# Altium PCB power-v3.2.PcbDoc (part 3 of 3)
Units mil, origin at the board's own origin, x right, y up, seen from the top; angles counter-clockwise.
Board outline 6119.76 x 3200 mil, 2 copper layers (Top Layer, Bottom Layer), stack 63.012 mil thick; 159 components, 100 nets, 465 pads, 512 vias.
Unrouted connection lines stored in the file: 96.
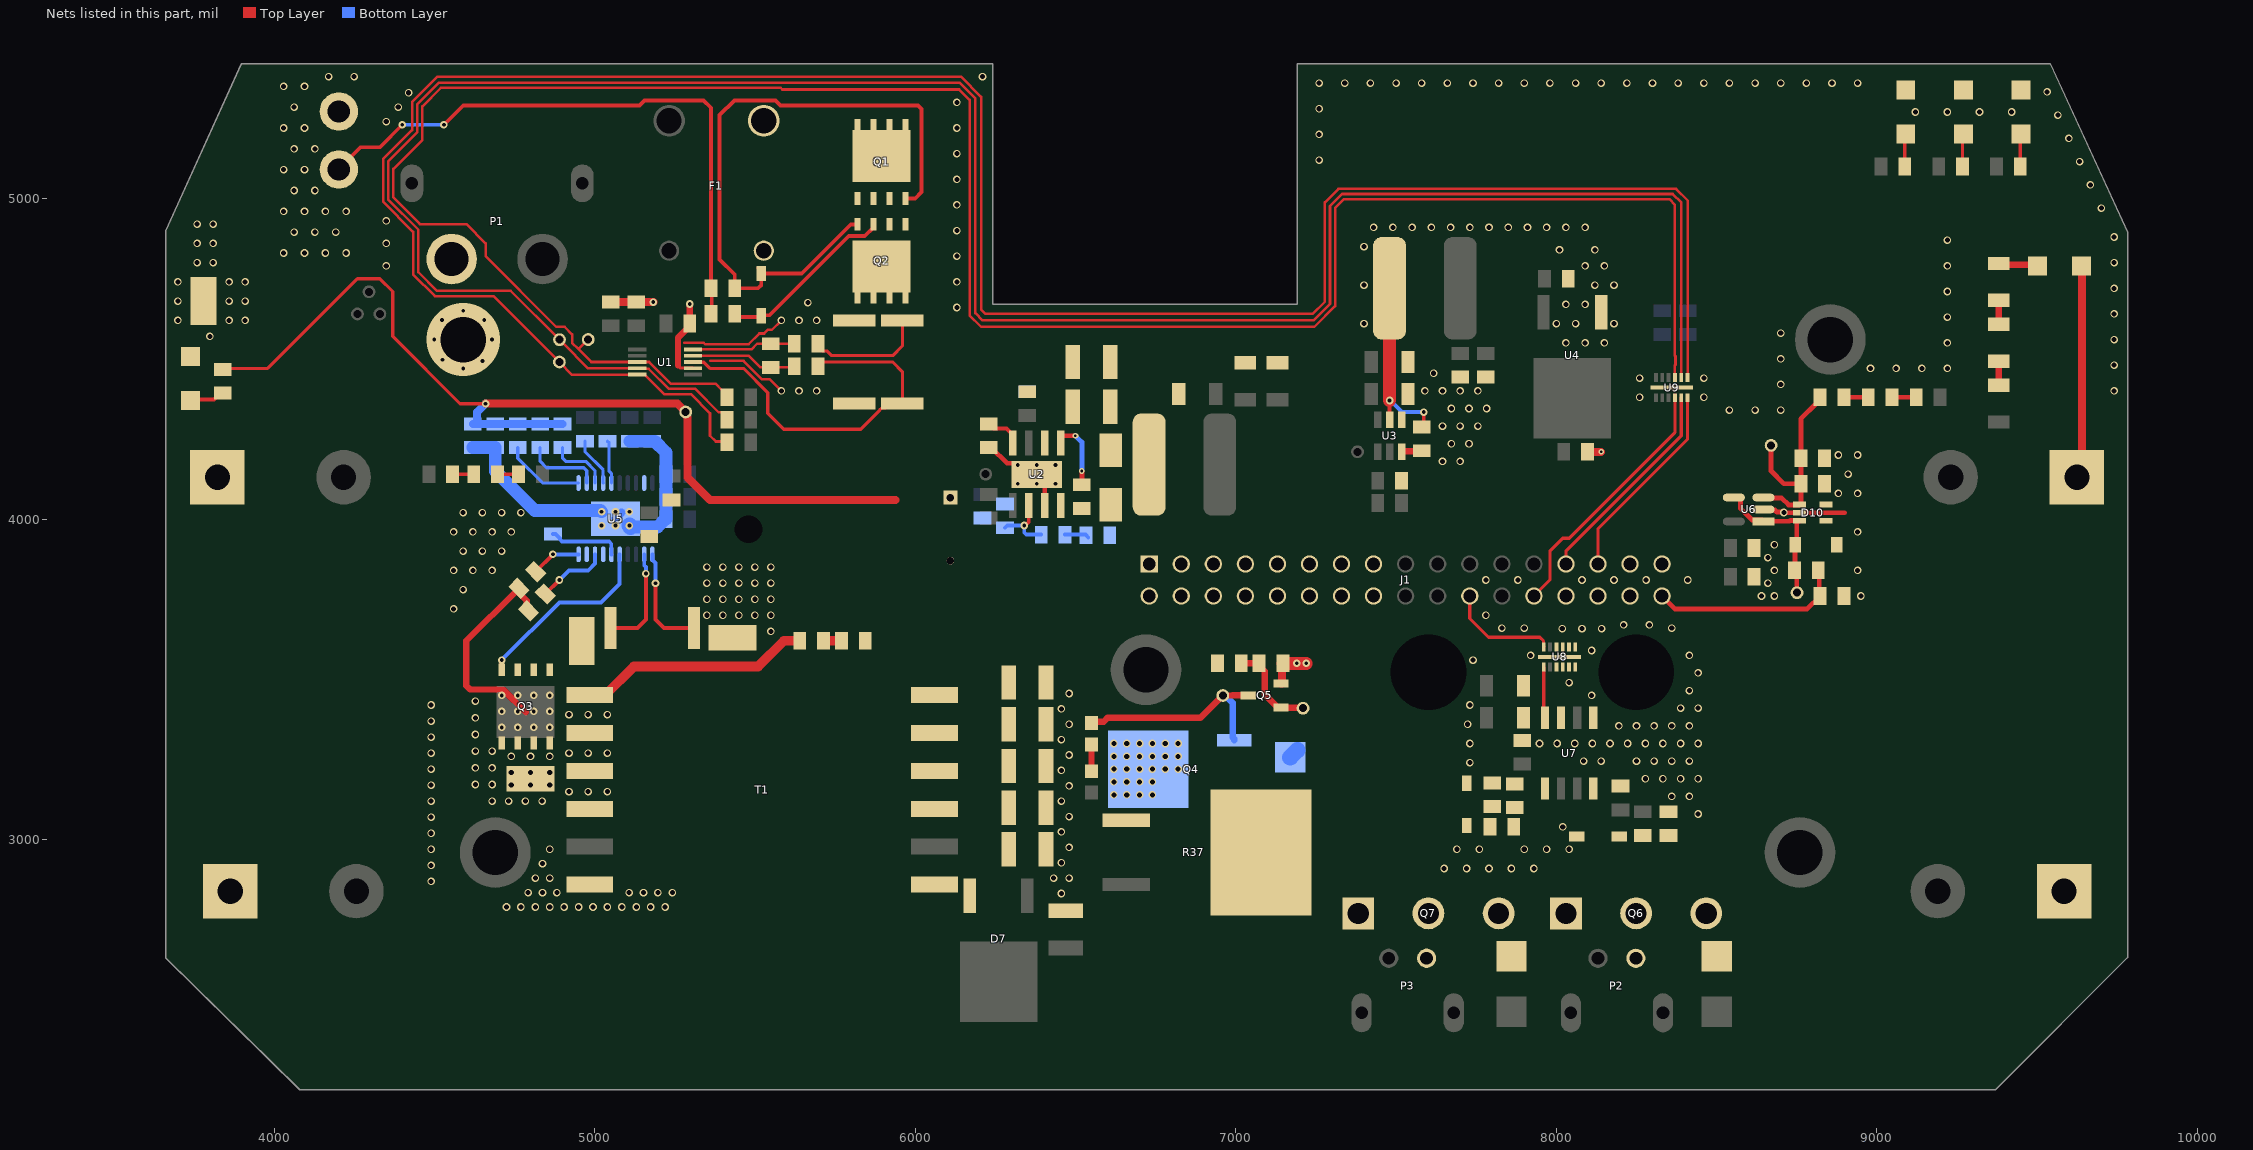
[diagram p3: the nets of this part, all layers, seen from the top]

## Via types
v1: diameter 23.62, hole 15.75, Top Layer to Bottom Layer, 395 vias
v2: diameter 23.62, hole 11.81, Top Layer to Bottom Layer, 98 vias
v3: diameter 17.72, hole 7.87, Top Layer to Bottom Layer, 8 vias
v4: diameter 19.68, hole 7.87, Top Layer to Bottom Layer, 6 vias
v5: diameter 228.35, hole 141.73, Top Layer to Bottom Layer, 5 vias

## Nets (pads, with @x,y where several pads share a name; then routed paths per layer and width w, separated by ;. In a path a pad name is that pad's centre, name@x,y a point inside that pad or via, vN(x,y) a via of type N, cw(c..) or ccw(c..) an arc to the next point about the centre after c; other vN are vias at no path point) (continued)
GND: 3V3.2 5V.2 12V.2 +HV.2 C2.1 C4.1 C5.1 C6.1 C7.1 C8.1 C9.1 C10.1 C11.1 C13.1 C14.1 C15.1 C16.1 C17.2 C18.2 C19.1 C20.1 C21.NEG C22.NEG C23.NEG C24.NEG C25.NEG C26.1 C27.1 C28.1 C29.1 C30.1 C31.1 C32.1 C34.2 C35.2 C36.2 C37.2 C38.1 C39.2 C40.1 C41.2 C42.2 C43.1 C44.1 C45.1 C46.2 CSN.1 D2.A D8.A D9.2 D10.2 D12.A D14.A GND.1 J1.9 J1.10 J1.11 J1.12 J1.13 J1.14 J1.15 J1.16 P1.1 pad.@4590,4560 Q4.3 Q5.S Q6.3 Q7.3 R10.2 R11.2 R15.2 R16.1 R18.1 R31.1 R34.1 R35.2 R40.1 R44.2 R46.2 R48.2 R56.1 S1.0 T1.12 U1.7 U2.7 U2.9 U2.V1 U2.V2 U2.V3 U2.V4 U2.V5 U2.V6 U3.1 U4.1 U5.9 U5.11 U5.21 U6.2 U7.3 U8.13 U9.13 VCC.2 | length 3751.8
  Top Layer w8: 5280,4550 5340,4550 5344.63,4545.37 5480,4545.37 5513.63,4579 5529,4579 5540,4590 5552.5,4590 v1(5582.5,4620) ; 5360.12,4493.69 5464.84,4493.69 5522.47,4436.06 5546.44,4436.06 v1(5582.5,4400)
  Top Layer w10: 5260,4480 5268.91,4471.09 5305.83,4471.09 U1.7@5306.61,4470.31
  Top Layer w12: v2(5190,3800) 5190,3686.79 5216.79,3660 R34.1@5309.92,3660 ; 12V.2@9089.91,5338.98 12V.2@9090,5338.9
  Top Layer w15: VCC.2@3740,4507.8 VCC.2@3751.1,4518.9 ; C4.1@6230,4223 6237.5,4223 6286.54,4173.96 6344.63,4173.96 U2.9@6379.06,4139.53 6404.06,4114.53 U2.7@6404.06,4042.09 ; U6.2@8646.27,4030 8647.99,4028.28 8681.72,4028.28 8687.91,4022.09 8708.35,4022.09 v1(8710,4020.44) ; v1@8710,4020 D10.2@8758.66,4020 8900,4020
  Top Layer w20: 5260,4480 5260,4565.5 5297,4602.5 C2.1@5297,4610 v2(5297,4670.92)
  Top Layer w25: R11.2@5050,4677 R10.2@5130,4677 v2(5183,4677) ; Q5.S@7141.18,3487.4 7143.8,3487.4 7144.09,3487.7 7144.09,3547.09 R40.1@7147,3550 ; C18.2@8097,4210 v3(8140,4210) ; C23.NEG@9623.81,4130.5 9640,4146.69 9640,4788.9 +HV.2@9638.9,4790
  Top Layer w40: R40.1@7147,3550 v2(7190,3550) v2(7220,3550)
  Bottom Layer w12: U5.11@5180.31,3890 5180.31,3872.77 5190,3863.08 v2(5190,3800)
  Bottom Layer w25: U5.21@5065.16,4001.22 U5.21@5083.94,4020 ; C20.1@5180,4243 C20.1@5187.5,4243
  Bottom Layer w40: C31.1@4620,4223 C32.1@4690,4223 4690,4150 4813,4027 R35.2@4870,4027 4889.22,4027 4889.44,4026.77 5017.95,4026.77 v4(5021.85,4022.87) ; C19.1@5110,4243 C20.1@5180,4243 ; U5.21@5112.43,3975.61 5196.11,3975.61 C36.2@5220.5,4000 ; C20.1@5187.5,4243 5222.85,4207.65 5222.85,4147.65 5223,4147.5 C35.2@5223,4070 C36.2@5223,4000
  Bottom Layer w50: v4(5108.46,3979.57) U5.21@5112.43,3975.61
  other v1: 4725,2790 4770,2790 4815,2790 4860,2790 4905,2790 4950,2790 4995,2790 5040,2790 5085,2790 5130,2790 5175,2790 5220,2790 6456,2832 4792.5,2835 4837.5,2835 4882.5,2835 5107.5,2835 5152.5,2835 5197.5,2835 5242.5,2835 4490,2870 4815,2880 4860,2880 6432,2880 6480,2880 7650,2910 7720,2910 7790,2910 7860,2910 7930,2910 4490,2920 4837.5,2925 6456,2928 4490,2970 4860,2970 7690,2970 7760,2970 7900,2970 7970,2970 8040,2970 6480,2976 4490,3020 6456,3024 8020,3040 4490,3070 6480,3072 8442.5,3080 4490,3120 6456,3120 8360,3135 8415,3135 6480,3168 4490,3170 8277.5,3190 8332.5,3190 8387.5,3190 8442.5,3190 6456,3216 4490,3220 7730,3240 8085,3245 8140,3245 8250,3245 8305,3245 8360,3245 8415,3245 6480,3264 4490,3270 7730,3300 7947.5,3300 8002.5,3300 8057.5,3300 8112.5,3300 8167.5,3300 8222.5,3300 8277.5,3300 8332.5,3300 8387.5,3300 8442.5,3300 6456,3312 4490,3320 8195,3355 8250,3355 8305,3355 8360,3355 8415,3355 6480,3360 7723.33,3360 4490,3370 6456,3408 8387.5,3410 8442.5,3410 4490,3420 7730,3420 8110,3450 6480,3456 8415,3465 8040,3490 8442.5,3520 7740,3560 7920,3575 8415,3575 8110,3590 5550,3650 8018.44,3658.44 8080,3658.44 8141.56,3658.44 7830,3660 7900,3660 8360,3660 8210,3670 8290,3670 5350,3700 5400,3700 5450,3700 5500,3700 5550,3700 7780,3700 4560,3720 5350,3750 5400,3750 5450,3750 5500,3750 5550,3750 8640,3760 8680,3760 8950,3760 4590,3780 5350,3800 5400,3800 5450,3800 5500,3800 5550,3800 8660,3800 7780,3810 7880,3810 8080,3810 8180,3810 8280,3810 8410,3810 4560,3840 4620,3840 4680,3840 8680,3840 8940,3840 5350,3850 5400,3850 5450,3850 5500,3850 5550,3850 8660,3880 4590,3900 4650,3900 4710,3900 8680,3920 4560,3960 4620,3960 4680,3960 4740,3960 8940,3960 4590,4020 4650,4020 4710,4020 4770,4020 8880,4080 8940,4080 8910,4140 7645,4180 7700,4180 8880,4200 8940,4200 7672.5,4235 7727.5,4235 7645,4290 7700,4290 7755,4290 8540,4340 8620,4340 8700,4340 7672.5,4345 7727.5,4345 7782.5,4345 8260,4380 8460,4380 5637.5,4400 5692.5,4400 7590,4400 7645,4400 7700,4400 7755,4400 9740,4400 8700,4420 8260,4440 8460,4440 7617.5,4455 8980,4470 9060,4470 9140,4470 9220,4470 9740,4480 8700,4500 8030,4550 8090,4550 8150,4550 9220,4550 9740,4560 3800,4570 8700,4580 7400,4610 8000,4610 8060,4610 8180,4610 3700,4620 3860,4620 3910,4620 5637.5,4620 5692.5,4620 9220,4630 9740,4640 6130,4660 8030,4670 8090,4670 5665,4675 3700,4680 3860,4680 3910,4680 9220,4710 9740,4720 7400,4730 8120,4730 8180,4730 3700,4740 3860,4740 3910,4740 6130,4740 4350,4790 8090,4790 8150,4790 9220,4790 3760,4800 3810,4800 9740,4800 6130,4820 4030,4830 4095,4830 4160,4830 4225,4830 8010,4840 8120,4840 7400,4850 3760,4860 3810,4860 4350,4860 9220,4870 9740,4880 4062.5,4895 4127.5,4895 4192.5,4895 6130,4900 7430,4910 7490,4910 7550,4910 7610,4910 7670,4910 7730,4910 7790,4910 7850,4910 7910,4910 7970,4910 8030,4910 8090,4910 3760,4920 3810,4920 4350,4930 4030,4960 4095,4960 4160,4960 4225,4960 9700,4970 6130,4980 4062.5,5025 4127.5,5025 9666.19,5042.5 6130,5060 4030,5090 4095,5090 9632.38,5115.01 7260,5120 6130,5140 4062.5,5155 4127.5,5155 9598.57,5187.51 7260,5200 4030,5220 4095,5220 6130,5220 4350,5240 9564.76,5260.02 9120,5270 9220,5270 9320,5270 9420,5270 7260,5280 4062.5,5285 4387.5,5285 6130,5300 4420,5330 9530.95,5332.52 4030,5350 4095,5350 7260,5360 7340,5360 7420,5360 7500,5360 7580,5360 7660,5360 7740,5360 7820,5360 7900,5360 7980,5360 8060,5360 8140,5360 8220,5360 8300,5360 8380,5360 8460,5360 8540,5360 8620,5360 8700,5360 8780,5360 8860,5360 8940,5360 4170,5380 4250,5380 6210,5380
  other v2: 5021.85,3979.57 5065.16,3979.57 5108.46,3979.57 5021.85,4022.87 5065.16,4022.87 5108.46,4022.87 4590,4470 4650.42,4493.39 4525.77,4496.87 4500,4560 4680,4560 4523.7,4620.67 4655.69,4621.32 4590,4650
  other v4: 5021.85,3979.57 5065.16,3979.57 5065.16,4022.87 5108.46,4022.87
  other v5: 4590,4560
HV-Sense: D9.1 D10.3 HV_SENSE.1 R49.2 U6.1 U6.4 | length 493.6
  Top Layer w15: U6.4@8553.73,4067.4 8570.72,4067.4 8574.88,4063.24 8574.88,4032.9 8610.68,3997.1 8641.77,3997.1 8648.87,3990 U6.1@8646.27,3992.6 8646.8,3993.13 8727.98,3993.13 8730.49,3995.64 8757.43,3995.64 D10.3@8758.66,3994.41 ; HV_SENSE.1@8751,3770.37 8750,3771.37 8750,3833 R49.2@8743,3840 8744.31,3841.31 8744.31,3918.68 8750,3924.37 8750,3993.05 D10.3@8751.36,3994.41
HV_GATE: Q3.G U5.15 | length 588.6
  Top Layer w12: Q3.G@4710,3530 v2(4710,3560)
  Bottom Layer w12: v2(4710,3560) 4890,3740 5020,3740 5077.95,3797.95 U5.15@5077.95,3890
HV_SENSE_OB: C46.1 J1.34 R49.1 | length 608.6
  Top Layer w15: J1.34@8330,3760 8370,3720 8783,3720 C46.1@8823,3760 8820,3763 8820,3837 R49.1@8817,3840
KICK: U7.4 U8.1 | length 160
  Top Layer w10: U8.1@7960.79,3538.5 7960.79,3384.45 U7.4@7965,3380.24
KICK_GATE: R47.2 R48.1 U7.5
KICK_OB: J1.22 U8.12 | length 347.8
  Top Layer w10: J1.22@7730,3760 7730,3690 7788.5,3631.5 7948.5,3631.5 7959.88,3620.12 7959.88,3602.4 U8.12@7960.79,3601.5
LT_CSP: CSP.1 Q3.S R34.2 U5.12 | length 326.5
  Top Layer w12: R34.2@5050.08,3660 5133.43,3660 5160,3686.57 v2(5160,3830)
  Bottom Layer w12: U5.12@5154.72,3890 5154.72,3855.28 5160,3850 v2(5160,3830)
NetC1_1: C1.1 R9.1 U1.10 | length 323.4
  Top Layer w8: U1.10@5306.61,4529.37 5489.37,4529.37 5507,4547 C1.1@5550,4547 5622,4547 R9.1@5622.5,4546.5
NetC1_2: C1.2 R5.1 U1.9 | length 332.5
  Top Layer w8: U1.9@5306.61,4509.69 5480.31,4509.69 5517,4473 C1.2@5550,4473 5619,4473 R5.1@5622.5,4476.5
NetC3_1: C3.1 U2.1 | length 227.7
  Top Layer w15: U2.1@6454.06,4236.97 6454.06,4255.69 6458.37,4260 v3(6500,4260) ; C3.1@6520,4107 v3(6520,4150)
  Bottom Layer w15: v3(6500,4260) 6520,4240 v3(6520,4150)
NetC3_2: C3.2 D2.C L1.1 U2.8 | length 10.6
  Top Layer w25: C3.2@6512.5,4040.5 C3.2@6520,4033
NetC4_2: C4.2 U2.4 | length 114.7
  Top Layer w12: C4.2@6230,4297 6244,4283 6284.99,4283 6304.06,4263.94 U2.4@6304.06,4236.97
NetC5_2: C5.2 R14.1 U2.6 | length 213.3
  Top Layer w12: v2@6342.22,3982.22 v2(6340,3980) 6342.98,3980 6354.06,3991.07 U2.6@6354.06,4042.09
  Bottom Layer w12: C5.2@6280,3973 6287,3980 v2(6340,3980) 6340,3958.68 6347.03,3951.65 R14.1@6393.39,3951.65
NetC11_2: C11.2 R14.2 | length 76.2
  Bottom Layer w12: R14.2@6467.39,3951.65 6531.35,3951.65 C11.2@6533,3950 C11.2@6540,3943
NetC12_1: C12.1 U3.6 | length 63.6
  Top Layer w20: U3.6@7517.4,4210.59 7518.61,4211.8 7578.8,4211.8 C12.1@7580,4213
NetC12_2: C12.2 L2.1 U3.2 | length 581.6
  Top Layer w12: U3.2@7480,4309.41 v2(7480,4370) ; C12.2@7580,4287 7586.44,4293.44 v3(7586.44,4333.74)
  Top Layer w25: L2.1@7479.76,4720 L2.1@7480,4719.76
  Top Layer w40: v2(7480,4370) L2.1@7480,4719.76
  Bottom Layer w12: v2(7480,4370) 7482.84,4370 7519.1,4333.74 v3(7586.44,4333.74)
  other v2: 7586.44,4333.74
NetC33_1: C33.1 R28.1 | length 56
  Top Layer w30: R28.1@5714,3620 C33.1@5770,3620
NetC40_2: C40.2 D10.1 HV_S-RAW.1 R43.1 R44.1 U6.3 | length 663.1
  Top Layer w15: U6.3@8646.27,4067.4 8647.99,4065.68 8703.39,4065.68 8724.71,4044.36 8757.43,4044.36 D10.1@8758.66,4045.59 ; HV_S-RAW.1@8670,4230 8670,4150 8710,4110 C40.2@8763,4110 ; D10.1@8761.64,4045.59 8763,4046.95 C40.2@8763,4110 ; R43.1@8821.55,4371.55 8821.55,4371.05 8810.5,4360 8810,4360 8763,4313 R44.1@8763,4190 C40.2@8763,4110
NetC44_2: C44.2 D12.C Q6.1 R45.1
NetC45_2: C45.2 D14.C Q7.1 R47.1
NetD1_A: D1.A Q1.G Q2.G R1.1 | length 2030.1
  Top Layer w12: D1.A@5511,4783.18 D1.A@5515.41,4778.77 ; Q2.G@5820,4920 5819.19,4919.19 5799.19,4919.19 5646,4766 D1.A@5520,4766 5520,4730 5510,4720 R1.1@5437,4720 5437,4763 5390,4810 5390,5260 5435.97,5305.97 5564.03,5305.97 5580,5290 6008.89,5290 6020,5278.89 6020,5020 6000,5000 Q1.G@5970,5000
NetD1_C: D1.C Q1.S Q2.S R2.1 | length 563
  Top Layer w12: R2.1@5437,4640 5447,4630 5516,4630 5521.97,4635.97 5545.97,4635.97 5792.82,4882.82 5842.66,4882.82 5870,4910.16 Q2.S@5870,4920
NetD3_1: 3V3.1 R19.2 | length 102.3
  Top Layer w10: R19.2@9447,5100 9447,5198.1 3V3.1@9450,5201.1
NetD4_1: 5V.1 R20.2 | length 102.3
  Top Layer w10: R20.2@9267,5100 9267,5198.1 5V.1@9270,5201.1
NetD5_1: 12V.1 R21.2 | length 102.3
  Top Layer w12: R21.2@9087,5100 9087,5198.1 12V.1@9090,5201.1
NetD6_1: R22.2 VCC.1@3740,4370 | length 110.5
  Top Layer w12: VCC.1@3730,4371.1 3731.7,4372.8 3812.3,4372.8 3830,4390.5 R22.2@3830,4393
NetD7_IN: D7.3 T1.1
NetD8_C: AD-GATE.1 D8.C Q4.1 Q5.D R38.1 | length 716.2
  Top Layer w20: R38.1@6550,3360 6557.97,3367.97 6587.97,3367.97 6600,3380 6890,3380 AD-GATE.1@6959.64,3449.64 6989.64,3449.64 6990,3450 Q5.D@7038.82,3450
  Bottom Layer w20: AD-GATE.1@6959.64,3449.64 6967.02,3449.64 6990,3426.67 6990,3319.29 6995,3314.29 Q4.1@6995,3310
  Bottom Layer w50: D8.C@7170,3256.61 D8.C@7192.24,3278.86
NetD10_4: D10.4
NetD10_5: D10.5
NetD11_A: D11.A P2.2 Q6.2
NetD13_A: D13.A P3.2 Q7.2
NetD15_1: +HV.1 R52.1 | length 124.2
  Top Layer w20: R52.1@9380,4797.48 9383.74,4793.74 9497.36,4793.74 +HV.1@9501.1,4790
NetF1_1: F1.1 F1.2 Q1.D
NetJ1_28: J1.28
NetJ1_30: J1.30
NetJ1_31: J1.31
NetJ1_32: J1.32
NetJ1_33: J1.33
NetQ3_D: FBD.1 Q3.D R28.2 R32.1 R33.1 T1.7 T1.8 T1.9 T1.10 | length 1384.2
  Top Layer w20: 4785,3397.72 4714.2,3468.51 4611.72,3468.51 4600,3480.23 4600,3620 4756.77,3776.77 4788.53,3745 4788.53,3719.14 R33.1@4793.84,3713.84
  Top Layer w30: T1.7@4984.96,3450.55 5032.8,3450.55 5122.24,3540 5510,3540 5590,3620 R28.2@5640,3620
  other v1: 4680,3120 4732,3120 4784,3120 4836,3120 4920,3150 4980,3150 5040,3150 4740,3170 4800,3170 4860,3170 4628,3172 4680,3172 4740,3210 4800,3210 4860,3210 4628,3224 4680,3224 4740,3260 4800,3260 4860,3260 4920,3270 4980,3270 5040,3270 4628,3276 4680,3276 4628,3328 4628,3380 4920,3390 4980,3390 5040,3390 4628,3432
  other v2: 4710,3350 4760,3350 4810,3350 4860,3350 4710,3400 4760,3400 4810,3400 4860,3400 4710,3450 4760,3450 4810,3450 4860,3450
NetQ4_D: Q4.2 R37.1
  other v1: 6620,3140 6660,3140 6700,3140 6740,3140 6620,3180 6660,3180 6700,3180 6740,3180 6620,3220 6660,3220 6700,3220 6740,3220 6780,3220 6820,3220 6620,3260 6660,3260 6700,3260 6740,3260 6780,3260 6820,3260 6620,3300 6660,3300 6700,3300 6740,3300 6780,3300 6820,3300
NetQ5_G: AD-VCC.1 Q5.G R39.1 R40.2 | length 278.7
  Top Layer w20: R39.1@7017,3550 7065.5,3550 7090,3525.5 7090,3452.95 Q5.G@7127.56,3415.39 ; Q5.G@7141.18,3412.6 7142.48,3411.3 7208.7,3411.3 AD-VCC.1@7210,3410
NetR1_2: R1.2 R2.2 S1.1 | length 1908
  Top Layer w12: S1.1@4202.41,5090.5 4202.41,5092.41 4270,5160 4330,5160 v2(4400,5230) ; v2(4530,5230) 4590,5290 5140,5290 5155.97,5305.97 5340,5305.97 5363,5282.97 R1.2@5363,4720 ; R2.2@5365.41,4635.41 R1.2@5365.41,4720
  Bottom Layer w12: v2(4400,5230) v2(4530,5230)
NetR36_1: R36.1 R38.2 | length 56
  Top Layer w20: 6550,3237 R38.2@6550,3293
NetR37_3: R37.3
NetR41_1: R41.1 R42.2 | length 76
  Top Layer w15: R42.2@9047,4380 R41.1@9123,4380
NetR42_1: R42.1 R43.2 | length 76
  Top Layer w15: R43.2@8897,4380 R42.1@8973,4380
NetR50_1: R50.1 R51.2 | length 75
  Top Layer w20: R50.1@9380,4417.48 R51.2@9380,4492.52
NetR51_1: R51.1 R52.2 | length 75
  Top Layer w20: R51.1@9380,4607.48 R52.2@9380,4682.52
NetR53_1: R53.1 R54.2 | length 66
  Top Layer w10: R53.1@4557,4140 R54.2@4623,4140
NetR54_1: R54.1 R55.2 | length 66
  Top Layer w10: R54.1@4697,4140 R55.2@4763,4140
NetU5_17: U5.17
NetU5_19: U5.19
NetU7_1: U7.1
NetU7_8: U7.8
NetU8_3: U8.3
NetU8_4: U8.4
NetU8_5: U8.5
NetU8_6: U8.6
NetU8_7: U8.7
NetU8_8: U8.8
NetU8_9: U8.9
NetU8_10: U8.10
OVLO1: R26.1 U5.3 | length 188.8
  Bottom Layer w10: R26.1@4900,4223 4900,4190 4910,4180 4972.08,4180 5001.18,4150.89 U5.3@5001.18,4112.44
OVLO2: R24.1 U5.5 | length 136.2
  Bottom Layer w10: R24.1@5040,4243 5045.19,4237.81 5045.19,4178.68 5044.52,4178.01 5044.52,4150.39 5052.36,4142.55 U5.5@5052.36,4112.44
PMS_ALERT: ALRT.1 R6.2 U1.3 U9.3 | length 7199.3
  Top Layer w8: ALRT.1@4980,4560 4950,4530 ; U1.3@5120,4490 4990,4490 4950,4530 ; U1.3@5133.39,4490 5170,4490 5238,4422 5378,4422 5396.5,4403.5 5397,4403.5 5404.54,4395.96 R6.2@5404.54,4395.46 ; U9.3@8369.84,4441.5 8370,4441.65 8370,4480 8371.72,4481.72 8371.72,4508.28 8370,4510 8370,4980.43 8352.43,4998 7338,4998 7310,4970 7310,4664.75 7245.25,4600 6205.43,4600 6170,4635.43 6170,5307.37 6137.37,5340 5585.46,5340 5579.93,5345.52 4520.87,5345.52 4462.86,5287.51 4462.86,5182.86 4372,5092 4372,5003.35 4455.35,4920 4600,4920 4660,4860 4660,4820 4880,4600 4906.42,4600 4930,4576.42 4930,4550 4950,4530
PMS_ALERT_OB: J1.26 U9.10 | length 820.4
  Top Layer w10: J1.26@7930,3760 7980,3810 7980,3900 8020,3940 8040,3940 8369.84,4269.84 U9.10@8369.84,4386.48
PMS_SCL: R3.2 SCL.1 U1.5 U9.1 | length 7473.2
  Top Layer w8: R3.2@5413,4230 5401.05,4241.95 5378.05,4241.95 5360,4260 5360,4330 5300,4390 5216.65,4390 5156.02,4450.63 U1.5@5133.39,4450.63 5133.39,4450 4930,4450 SCL.1@4890,4490 4684.62,4695.38 4501.99,4695.38 4434,4763.37 4434,4896 4340,4990 4340,5122.63 4430.86,5213.49 4430.86,5300.86 4510,5380 6142.63,5380 6206,5316.63 6206,4654 6220,4640 7240,4640 7278,4678 7278,4988 7320,5030 8373.68,5030 8410,4993.68 8410,4442.28 U9.1@8409.21,4441.5
PMS_SCL_OB: J1.29 U9.12 | length 634.2
  Top Layer w10: J1.29@8130,3860 8130,3970 8409.21,4249.21 U9.12@8409.21,4378.5
PMS_SDA: R4.2 SDA.1 U1.4 U9.2 | length 7317.4
  Top Layer w8: U1.4@5118.54,4470 4980,4470 4900.67,4549.33 SDA.1@4890.37,4559.63 4738.36,4711.64 4508.36,4711.64 4450,4770 4450,4902.63 4356,4996.63 4356,5116 4446.86,5206.86 4446.86,5294.13 4514.25,5361.52 6138.48,5361.52 6187.47,5312.53 6187.47,4642.53 6210,4620 7242.63,4620 7294,4671.37 7294,4976.63 7331.37,5014 8363.05,5014 8390,4987.05 8390,4441.97 U9.2@8389.53,4441.5 ; U1.4@5133.39,4470.31 5135.17,4468.54 5168.84,4468.54 5231.37,4406 5314,4406 5387.26,4332.74 5397,4332.74 5413.91,4315.83 R4.2@5413.91,4306.09
PMS_SDA_OB: J1.27 U9.11 | length 667.4
  Top Layer w10: J1.27@8030,3860 8030,3900 8389.53,4259.53 U9.11@8389.53,4378.5
RBG: R35.1 U5.16 | length 228.7
  Bottom Layer w12: R35.1@4870,3953 4877.5,3953 4891.5,3939 4891.5,3937.03 4898.53,3930 5044.99,3930 5052.02,3922.97 5052.02,3890.34 U5.16@5052.36,3890
RDCM: R32.2 U5.20 | length 156.1
  Top Layer w12: R32.2@4816.16,3836.16 v2(4870,3890)
  Bottom Layer w12: v2(4870,3890) U5.20@4950,3890
RVOUT: R33.2 U5.18 | length 223.2
  Top Layer w12: R33.2@4846.16,3766.16 v2(4890,3810)
  Bottom Layer w12: v2(4890,3810) 4920,3840 4980,3840 5001.13,3861.13 5001.13,3889.95 U5.18@5001.18,3890
RVTRANS: R27.2 U5.1 | length 255.1
  Bottom Layer w10: R27.2@4760,4223 4760,4190 4837.56,4112.44 U5.1@4950,4112.44
UVLO1: R25.1 U5.2 | length 239.2
  Bottom Layer w10: R25.1@4830,4223 4830,4180 4850,4160 4966.62,4160 4975.59,4151.03 U5.2@4975.59,4112.44
UVLO2: R23.1 U5.4 | length 154.1
  Bottom Layer w10: R23.1@4970,4243 4970,4210 5026.52,4153.48 5026.52,4112.69 U5.4@5026.77,4112.44
VCC: C6.2 C7.2 C25.POS C26.2 C27.2 C28.2 C29.2 C30.2 C31.2 C32.2 C33.2 J1.1 J1.2 J1.3 J1.4 J1.5 J1.6 J1.7 J1.8 R5.2 R7.1 R8.1 R12.1 R22.1 R25.2 R26.2 R27.1 R39.2 T1.3 T1.4 T1.5 T1.6 U1.8 U2.2 VCC.1@5284.06,4334.06 | length 4219.2
  Top Layer w10: R22.1@3830,4470 3980,4470 4260,4750 4330,4750 4370,4710 4370,4570 4580,4360 v2(4660,4360) ; U1.8@5306.61,4490 5307.39,4489.22 5340.54,4489.22 5359.76,4470 5464.49,4470 5540,4394.49 5540,4330 5590,4280 5830,4280 5890,4340 5890,4340.52 5895.86,4346.38 5906.3,4346.38 R8.1@5920,4360.08 ; R5.2@5696.5,4476.5 5710,4490 5930,4490 5960,4460 R8.1@5960,4360.08
  Top Layer w25: v2(4660,4360) 5258.12,4360 VCC.1@5284.06,4334.06 5286.93,4331.19 5286.93,4320.58 5290,4317.51 5290,4130 5360,4060 5939.31,4060
  Bottom Layer w25: C31.2@4620,4297 C31.2@4626.27,4297 ; v2(4660,4360) 4633.77,4333.77 4633.77,4304.5 C31.2@4626.27,4297 ; R26.2@4900,4297 R25.2@4830,4297 R27.1@4760,4297 C32.2@4690,4297 C31.2@4626.27,4297
VCC_RPP: Q2.D R7.2 R8.2 R9.2 | length 375.4
  Top Layer w10: R9.2@5696.5,4546.5 5696.5,4539 5711.5,4524 5726,4524 5740,4510 5930,4510 5960,4540 R8.2@5960,4619.92
pads on no net: D7.1 P1.Un1 P1.Un2 P2.NC P3.NC Q3.2 T1.2 T1.11
copper on no net:
  other v2: 4690,2870 8760,2870 4750.42,2893.39 8820.42,2893.39 4625.77,2896.87 8695.77,2896.87 4600,2960 4780,2960 8670,2960 8850,2960 4623.7,3020.67 4755.69,3021.32 8693.7,3020.67 8825.69,3021.32 4690,3050 8760,3050 6720,3440 6780.42,3463.39 6655.77,3466.87 6630,3530 6810,3530 6653.7,3590.67 6785.69,3591.32 6720,3620 8854.82,4470 8915.24,4493.39 8790.6,4496.87 8764.82,4560 8944.82,4560 8788.53,4620.67 8920.51,4621.32 8854.82,4650
  other v5: 4690,2960 8760,2960 6720,3530 8854.82,4560

## Polygon pours and split planes (outlines as drawn)
GND on Top Layer "GND_L01_P213" (solid, pour order 213): 5190,3920 4790,3920 4650,3780 4500,3630 4500,4020 4540,4060 5190,4060
GND on Top Layer "NONET_L01_P-001" (solid, pour order 234): 4940,4080 5300,4080 5320,4060 5320,3930 5340,3910 5340,3680 5210,3810 5210,3900 5190,3920 4940,3920
GND on Top Layer "GND_L01_P230" (solid, remove dead copper, pour order 230): 7190,5420 9782.41,5420 9782.41,4310 7190,4310
GND on Top Layer "GND_L01_P229" (solid, pour order 229): 8020,4880 8020,4590 8220,4590 8220,4880
GND on Top Layer "GND_L01_P225" (solid, remove dead copper, pour order 225): 6530,4550 7170,4550 7170,4460.67 7171.86,4458.81 7163.05,4450 6850,4450 6850,4350 6660,4350 6650,4340 6650,4160 6573,4160 6510.47,4097.47 6320,4097.47 6320,4180 6420,4180 6530,4290
GND on Top Layer "GND_L01_P222" (solid, remove dead copper, pour order 222): 6240,5420 3960,5420 3960,4760 4380,4760 4380,5070 4620,5310 6240,5310
GND on Top Layer "GND_L01_P221" (solid, pour order 221): 8250,4459.72 8480,4459.72 8480,4359.72 8250,4359.72
GND on Top Layer "GND_L01_P218" (solid, pour order 218): 8480,3640 7780,3640 7730,3690 7730,3996 8404,3996 8480,3920
NetR37_3 on Top Layer "NETR37_3_L01_P217" (solid, remove dead copper, pour order 217): 6870,2810 6917.9,2759.21 7240,2760 7440,2960 7690,2960 7690,3680 7080,3680 6870,3470
GND on Top Layer "GND_L01_P208" (solid, remove dead copper, pour order 208): 7700,3680 7700,3410 7790,3410 7790,3270 7960,3270 8030,3200 8480,3200 8480,3660 8460,3680
KICK_GATE on Top Layer "KICK_GATE_L01_P205" (solid, pour order 205): 7990,3230 7842,3230 7842,3010 7970,3010 7990,3030
12V on Top Layer "12V_L01_P172" (solid, pour order 172): 7460,4530 7460,4010 6900,4010 6900,4430 7180,4430 7180,4530
GND on Top Layer "GND_L01_P165" (solid, remove dead copper, pour order 165): 7910,3150 7710,3150 7700,3160 7700,3680 7800,3680 7800,3290 7869.87,3220.13 7910,3220.65
NetC45_2 on Top Layer "NETC45_2_L01_P215" (solid, pour order 215): 7324.6,2710 7440,2710 7440,2790 7654.96,3004.96 7830,3004.96 7830,3130 7756,3130 7756,3096 7740,3080 7570,3080 7324.6,2834.6
GND on Top Layer "NONET_L01_P-001" (solid, pour order 235): 8090,3100 8090,2996 7984,2890 7560,2890 7560,2900 7760,3100
NetC44_2 on Top Layer "NETC44_2_L01_P216" (solid, pour order 216): 8180,3040 8110,2970 7970,2830 7970,2700 8090,2700 8090,2830 8243.86,2983.86 8373.86,2983.86 8378,2988 8378,3040
VCC on Top Layer "VCC_L01_P227" (solid, pour order 227): 5850,4380 5990,4380 6160,4550 6520,4550 6520,4300 6450,4300 6420,4270 6420,4200 6390,4200 6390,4340 6200,4340 6060,4200 6060,4000 5850,4000
GND on Top Layer "GND_L01_P214" (solid, pour order 214): 6070,5340 6190,5340 6190,4660 6217.5,4628.5 6490,4629.19 6490,4550 6070,4550
GND on Top Layer "NONET_L01_P-001" (solid, pour order 233): 4460,3450 4510,3450 4520,3440 4520,2850 4510,2840 4460,2840
NetQ3_D on Top Layer "NETQ3_D_L01_P182" (solid, pour order 182): 4570,3480 5060,3480 5060,3070 4920,3070 4650,3070 4570,3150
VCC on Top Layer "VCC_L01_P170" (solid, remove dead copper, pour order 170): 6160,3020 6270,2910 6310,2910 6310,3510 6320,3520 6910,3520 7080,3690 7080,3910 7020,3970 6130.9,3970 5990,4109.11 5990,4380 5850,4380 5740,4380 5670,4310 5670,3780 5980,3470 5980,3050 6010,3020
NetD11_A on Top Layer "NETD11_A_L01_P202" (solid, pour order 202): 8539.47,2860.53 8558.01,2841.99 8558.01,2590.53 8548.01,2580.53 8208.01,2580.53 8190,2598.54 8190,2840 8210.53,2860.53
NetD13_A on Top Layer "NETD13_A_L01_P201" (solid, pour order 201): 7890,2860 7910,2840 7910,2590 7900,2580 7560,2580 7540,2600 7540,2840 7560,2860
+HV on Top Layer "+HV_L01_P175" (solid, remove dead copper, pour order 175): 9010,2820 8870,2680 8580.08,2680 8570,2669.92 8570,2569.92 8553.12,2553.18 8182.76,2549.92 8172.76,2559.92 8172.76,2669.92 8162.76,2680 7930,2680 7920,2670 7919.44,2558.26 7909.91,2549.92 7530.08,2549.92 7520,2560 7520,2670 7510,2680 6270,2680 6270,2260 9110,2260 9440,2590 9440,4120 9300,4260 9160,4260 9010,4110
NetF1_1 on Top Layer "NETF1_1_L01_P198" (solid, pour order 198): 5450,5300 5630,5300 5970,5300 5990,5280 5990,5050 5870,5050 5690,4870 5620,4800 5500,4800 5450,4850
GND on Top Layer "GND_L01_P187" (solid, pour order 187): 4910,2890 4890,2910 4890,3000 4880,3010 4700,3010 4690,3000 4690,2770 4700,2760 5270,2760 5280,2770 5280,2880 5270,2890
GND on Top Layer "GND_L01_P219" (solid, pour order 219): 5500,4440 5730,4440 5730,4380 5500,4380
+VBAT on Top Layer "+VBAT_L01_P195" (solid, remove dead copper, pour order 195): 5000,4730 5060,4790 5260,4790 5290,4820 5290,5280 5270,5300 4850,5300 4740,5190 4740,4780 4790,4730
VCC_RPP on Top Layer "VCC_RPP_L01_P200" (solid, pour order 200): 5740,4870 6040,4870 6040,4600 5740,4600
GND on Top Layer "GND_L01_P220" (solid, pour order 220): 5510,4700 5740,4700 5740,4560 5510,4560
GND on Top Layer "GND_L01_P231" (solid, pour order 231): 3640,4980 3640,4480 3940,4480 3940,4980
NetC3_2 on Top Layer "NETC3_2_L01_P226" (solid, remove dead copper, pour order 226): 6680,4290 6680,4140 6640,4100 6440,4100 6440,4000 6750,4000 6780,4030 6780,4290
5V on Top Layer "5V_L01_P228" (solid, pour order 228): 7670,4880 7670,4490 7980,4490 7980,4880
GND on Top Layer "GND_L01_P223" (solid, pour order 223): 8860,4070 8862.46,4070 8870,4062.45 8870,3970 8850,3950 8850,3890 8870,3870 8870,3720 8880,3710 8960,3710 8970,3720 8970,4220 8960,4230 8820,4230 8810,4220 8810,4080 8820,4070
CHIP_GATE on Top Layer "CHIP_GATE_L01_P206" (solid, pour order 206): 8050,3200 8050,3080 8070,3060 8300,3060 8305.5,3065.5 8305.5,3113.32 8146.11,3113.89 8080,3180 8080,3200
+HV on Top Layer "+HV_L01_P166" (solid, pour order 166): 8162.76,2679.92 8172.76,2669.92 8172.76,2559.92 8182.76,2549.92 8182.76,2519.92 7930,2519.92 7930,2670 7939.92,2679.92
+HV on Top Layer "+HV_L01_P169" (solid, pour order 169): 7510,2680 7520,2670 7520,2560 7530,2550 7530,2520 7280,2520 7280,2670 7290,2680
NetD1_C on Top Layer "NETD1_C_L01_P194" (solid, pour order 194): 5810,5020 5980,5020 5980,4900 5810,4900
GND on Top Layer "GND_L01_P183" (solid, remove dead copper, pour order 183): 7520,4520 7630,4520 7660,4490 7820,4490 7820,4240 7670,4090 7500,4090 7500,4340 7520,4360
5V on Top Layer "5V_L01_P174" (solid, remove dead copper, pour order 174): 7820,4720 7900,4720 7900,4210 7760,4070 7740,4070 7580,3910 7580,3720 7570,3710 7500,3710 7490,3720 7490,4030.57 7579.43,4120 7710,4120 7820,4230
3V3 on Top Layer "3V3_L01_P178" (solid, pour order 178): 7929.07,4500 8040,4500 8040,4170 7880,4010 7800,4010 7670,3880 7670,3720 7660,3710 7600,3710 7590,3720 7590,3920 7730,4060 7760,4060 7929.07,4229.07
GND on Top Layer "GND_L01_P224" (solid, pour order 224): 8600,3950 8590,3940 8590,3750 8600,3740 8700,3740 8710,3750 8710,3940 8700,3950
GND on Top Layer "GND_L01_P212" (solid, remove dead copper, pour order 212): 8160,3054 8480,3054 8480,3435 8160,3435
VCC on Top Layer "VCC_L01_P211" (solid, remove dead copper, pour order 211): 6800,3520 6800,3640 6970,3640 6970,3520
VCC on Top Layer "VCC_L01_P209" (solid, remove dead copper, pour order 209): 5960,3580 5820,3580 5820,3920 5960,3920
GND on Top Layer "GND_L01_P192" (solid, pour order 192): 6520,2750 6520,2860 6500,2880 6500,3500 6490,3510 6390,3510 6380,3500 6380,2790 6420,2750
NetQ4_D on Top Layer "NETQ4_D_L01_P191" (solid, pour order 191): 6580,3040 6580,3110 6600,3130 6600,3340 6860,3340 6860,3060 6840,3040
+HV on Top Layer "+HV_L01_P190" (solid, pour order 190): 6580,2890 6580,2630 6850,2630 6860,2640 6860,2730 6700,2890
GND on Top Layer "GND_L01_P189" (solid, pour order 189): 5290,3890 5310,3910 5580,3910 5600,3890 5600,3670 5520,3590 5290,3590
NetD7_IN on Top Layer "NETD7_IN_L01_P185" (solid, remove dead copper, pour order 185): 5980,2890 6180,2890 6190,2880 6190,2770 6030,2770 5980,2820
LT_CSP on Top Layer "LT_CSP_L01_P171" (solid, pour order 171): 4750,3510 5030,3510 5070,3550 5070,3730 4920,3730 4750,3560
+HV on Top Layer "+HV_L01_P177" (solid, pour order 177): 4280,4260 4430,4110 4430,2820 4570,2680 7170,2680 7170,2260 4440,2260 4000,2700 4000,4110 4150,4260
GND on Bottom Layer "GND_L02_P232" (solid, remove dead copper, pour order 232): 3650,4300 4280,4300 4460,4120 4460,2840 4590,2710 6080,2710 6080,2500 6400,2500 6500,2600 6500,3320 6580,3400 7220,3400 7300,3320 7300,2920 7330,2890 8550,2890 8590,2850 8590,2710 8830,2710 8970,2850 8970,4140 9130,4300 9770,4300 9770,5420 3650,5420
NetQ3_D on Bottom Layer "NONET_L01_P-001" (solid, pour order 193): 5100,3480 4570,3480 4570,3150 4690,3030 5100,3030
GND on Bottom Layer "GND_L02_P167" (solid, pour order 167): 4280,4260 4430,4110 4430,2820.23 4570.58,2680 6845,2680 6845,2250 4070,2250 3685,2635 3685,4195 3750,4260
GND on Bottom Layer "GND_L02_P203" (solid, pour order 203): 8545,2850 8565,2830 8565,2390 8375,2390 8375,2460.47 8375,2830 8395,2850
GND on Bottom Layer "GND_L02_P168" (solid, pour order 168): 9160,4260 9010,4110 9010,2820 8870,2680 6590,2680 6590,2250 9380,2250 9760,2630 9760,4190 9690,4260
NetD8_C on Bottom Layer "NETD8_C_L02_P186" (solid, pour order 186): 6940,3340 7210,3340 7220,3330 7220,3210 7120,3210 7120,3260 7100,3280 6940,3280
GND on Bottom Layer "GND_L02_P199" (solid, pour order 199): 7895,2850 7915,2830 7915,2390 7725,2390 7725,2460.47 7725,2830 7745,2850
GND on Bottom Layer "GND_L02_P197" (solid, pour order 197): 7220,3150 7220,3030 7220,2630 6580,2630 6580,2800 6630,2850 6930,3150
no net on Bottom Solder "NONET_L01_P-001" (solid): 4880,3480 4690,3480 4690,3310 4880,3310

## Other copper
Top Layer:
  pour cut-out: 8397.51,2769.84 ccw(c8467.51,2769.84) 8467.51,2699.84 ccw(c8467.51,2769.84) 8537.51,2769.84 ccw(c8467.51,2769.84) 8467.51,2839.84 ccw(c8467.51,2769.84)
  pour cut-out: 7749.81,2770.35 ccw(c7819.81,2770.35) 7819.81,2700.35 ccw(c7819.81,2770.35) 7889.81,2770.35 ccw(c7819.81,2770.35) 7819.81,2840.35 ccw(c7819.81,2770.35)
  pour cut-out: 7430,4860 cw(c7450,4860) 7450,4880 7720,4880 cw(c7720,4850) 7750,4850 7750,4587.64 cw(c7723.54,4587.64) 7703.82,4570 7460,4570 cw(c7447.19,4581.46) 7430,4581.46
  pour cut-out: 9250,4880 9710,4880 9710,4280 9250,4280
  pour cut-out: 8740,4450 8780,4490 8924.82,4490 8974.82,4440 9250,4440 9250,4300 8740,4300
  pour cut-out: 7000,3520 7000,3580 7170,3580 7170,3400 7140,3370 6920,3370 6920,3520
  pour cut-out: 5010,3920 4790,3920 4530,3660 4460,3660 4460,3450 4690,3450 4690,3540 5010,3860
  pour cut-out: 7410.5,4300 7530,4300 7545,4315 7616,4315 7616,4185 7435.5,4185 7410.5,4210
Bottom Layer:
  pour cut-out: 3407.96,3463.95 ccw(c3630,3463.95) 3630,3241.91 ccw(c3630,3463.95) 3852.04,3463.95 ccw(c3630,3463.95) 3630,3685.98 ccw(c3630,3463.95)
  pour cut-out: 9587.96,3464.11 ccw(c9810,3464.11) 9810,3242.07 ccw(c9810,3464.11) 10032.04,3464.11 ccw(c9810,3464.11) 9810,3686.14 ccw(c9810,3464.11)
  pour cut-out: 4440.26,4120.25 4651.63,4331.63 4626.63,4356.63 4414.62,4144.62
  pour cut-out: 4400,4140 4430,4110
  pour cut-out: 5210,3920 5210,3790 5200,3780 5150,3780 5140,3790 5140,3920
  pour cut-out: 4326.3,2960.05 4186.3,2960.05 4136.3,2910.05 4136.3,2770.05 4186.3,2720.05 4326.3,2720.05 4376.3,2770.05 4376.3,2910.05
  pour cut-out: 9260,2960 9120,2960 9070,2910 9070,2770 9120,2720 9260,2720 9310,2770 9310,2910
  pour cut-out: 4040.11,4259.5 4040.11,4079.5 4150.11,3969.5 4430.11,3969.5 4430.11,4109.5 4280.11,4259.5 4040.11,4259.5
  pour cut-out: 9400,4260 9400,4080 9290,3970 9010,3970 9010,4110 9160,4260 9400,4260
  pour cut-out: 5010,3920 4790,3920 4530,3660 4460,3660 4460,3590 4460,3450 4690,3450 4690,3540 5010,3860

## Silkscreen, mask and mechanical layers (free items; w line width, h text height)
Top Overlay:
  drawing of 71 lines, arcs and shapes, not listed
  text "20A MINI" at 5160,5320 h60
  text "ON" at 3840,5300 h70 r270
  text "OFF" at 3840,4980 h70 r270
  text "CHA / GND" at 4300,4270 h60
  text "33" at 8408,3958 h42
  text "1" at 6548,3838 h42
  text "2" at 6538,3738 h42
  text "34" at 8408,3628 h42
  text "HIGH VOLTAGE" at 4470,2320 h140
  text "KICK" at 6994,2304 h84
  text "CHIP" at 8434,2304 h84
Bottom Overlay:
  circle w6: c5480,3968.43 r66.93
  circle w14: c4590,4560 r140
  circle w20: c4990,2360 r4.72
  circle w20: c7140,2360 r4.72
  region: 5120,4660 5000,4660 5060,4600
  region: 4970,2520 5010,2520 4990,2400
  region: 7160,2520 7120,2520 7140,2400
  lines w14: 4690,4660 4740,4710 5190,4710 ; 5060,4640 5060,4710 ; 5000,4660 5060,4600 5120,4660 5050,4660 5000,4660
  lines w18: 4970,2520 5010,2520 4990,2400 4970,2520 ; 7120,2520 7140,2400 7160,2520 7120,2520
  lines w25: 4810,2310 5180,2310 4990,2630 4810,2310 ; 6950,2310 7140,2630 7320,2310 6950,2310
  text "CHA GND" at 5170,4720 h72
  text "01/2021" at 5670,3380 h60
  text "UBC THUNDERBOTS / POWER V3.1" at 6330,3370 h60
  text "Dannon Sturn / Simon Zheng" at 6330,3190 h42
  text "HIGH VOLTAGE" at 6860,2320 h140
Mechanical 1:
  lines w10: 3662.41,3269.1 3662.41,2631.16 4080,2220 9370,2220 9781.93,2631.76 9781.93,3269.45 cw(c9811.02,3464.13) 9781.93,3658.82 ; 3662.41,4899.48 3898.06,5420 6242.41,5420 6242.41,4670.5 7192.41,4670.5 7192.41,5420 9540,5420 9782.41,4899.48 9782.41,4885.47 9782.41,3659.31 ; 3662.76,3269.45 ccw(c3633.66,3464.14) 3662.76,3658.83 3662.76,4899.13 ; 6242.38,4716.01 ccw(c6242.38,4716.02) 6242.38,4716.03 ; 6287.79,4670.59 6290.54,4670.59

## Dimensions
3863.28,2839.25 to 3823.28,4130.5 on Mechanical 16
3548.32,2839.25 to 9898.77,2839.25 on Mechanical 16
8760,2960 to 6720,3530 on Mechanical 16
8760,2960 to 8854.82,4560 on Mechanical 16
4590,4560 to 3662.41,4899.48 on Mechanical 16
8760,2960 to 9370,2220 on Mechanical 16
4590,4560 to 8854.82,4560 on Mechanical 16
8854.82,4560 to 8760,2960 on Mechanical 16
4690,2960 to 8760,2960 on Mechanical 16
9370,2220 to 9540,5420 on Mechanical 16
3662.41,2631.16 to 9782.41,2621.28 on Mechanical 16